# Altium PCB CHAHARDOLI-7 ADAD METAL.PcbDoc (part 4 of 10)
Units mm, origin at the board's own origin, x right, y up, seen from the top; angles counter-clockwise.
Board outline 151 x 86.38 mm, 2 copper layers (Top Layer, Bottom Layer); 1512 components, 81 nets, 3736 pads, 768 vias.
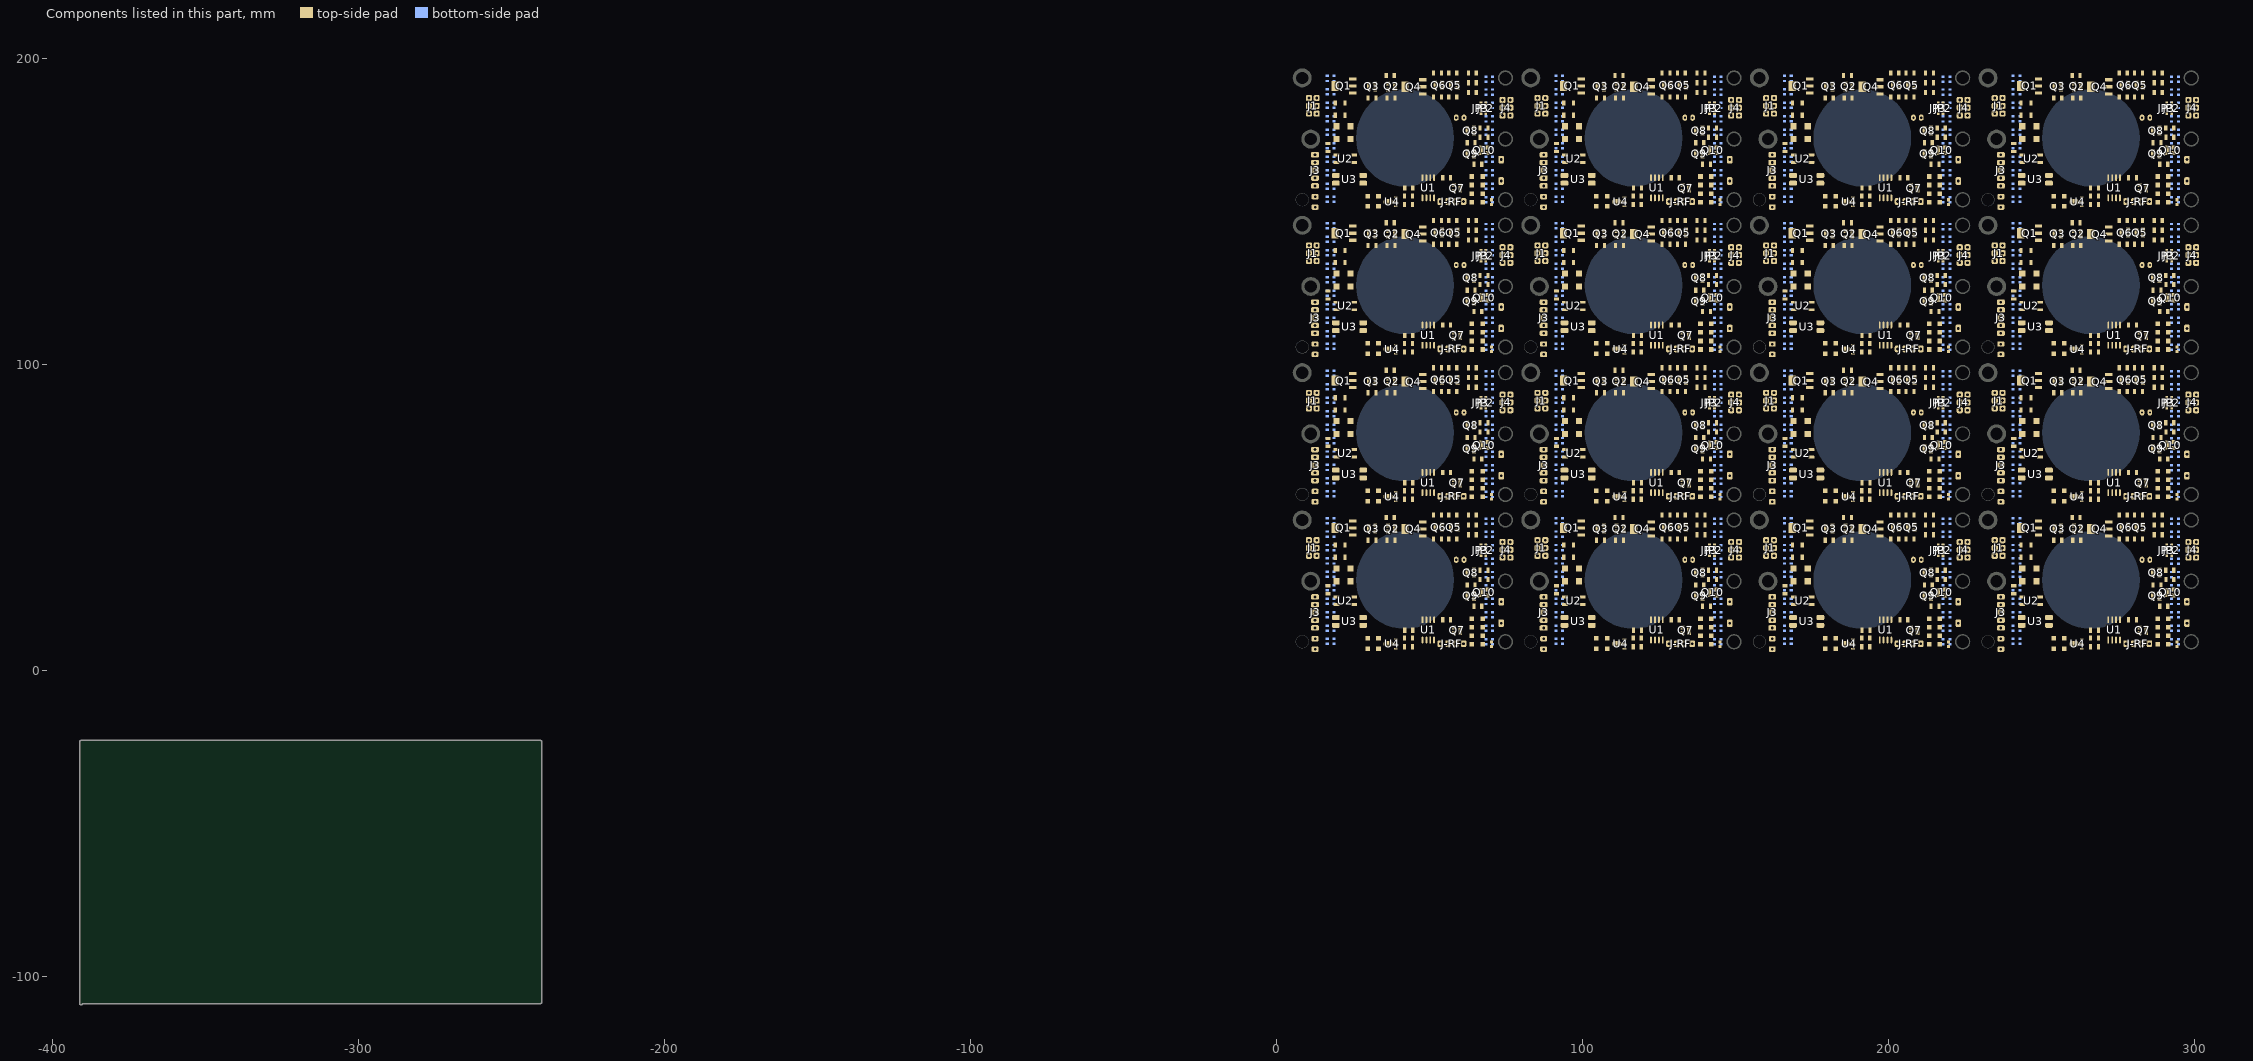
[diagram p4: the components of this part, seen from the top]

## Via types
v1: diameter 1.2, hole 0.6, Top Layer to Bottom Layer, 496 vias
v2: diameter 1, hole 0.6, Top Layer to Bottom Layer, 128 vias
v3: diameter 0.9, hole 0.6, Top Layer to Bottom Layer, 128 vias
v4: diameter 1.27, hole 0.6, Top Layer to Bottom Layer, 16 vias

## Nets (pads, with @x,y where several pads share a name; then routed paths per layer and width w, separated by ;. In a path a pad name is that pad's centre, name@x,y a point inside that pad or via, vN(x,y) a via of type N, cw(c..) or ccw(c..) an arc to the next point about the centre after c; other vN are vias at no path point) (continued)
copper on no net: (continued)
  Top Layer w0.5: 6.936,46.91 6.936,37.71 7.868,36.777 7.874,36.777 v1@8.231,36.42 ; 6.936,95.055 6.936,85.855 7.868,84.922 7.874,84.922 v1@8.231,84.565 ; 6.936,143.2 6.936,134 7.868,133.067 7.874,133.067 v1@8.231,132.71 ; 6.936,191.345 6.936,182.145 7.868,181.213 7.874,181.213 v1@8.231,180.855 ; 7.136,47.71 7.184,47.662 7.184,46.91 ; 7.136,95.855 7.184,95.807 7.184,95.055 ; 7.136,144 7.184,143.952 7.184,143.2 ; 7.136,192.145 7.184,192.097 7.184,191.345 ; 11.136,28.91 13.736,28.91 13.793,28.852 14.794,28.852 16.011,27.636 16.336,27.636 ; 11.136,77.055 13.736,77.055 13.793,76.997 14.794,76.997 16.011,75.781 16.336,75.781 ; 11.136,125.2 13.736,125.2 13.793,125.143 14.794,125.143 16.011,123.926 16.336,123.926 ; 11.136,173.345 13.736,173.345 13.793,173.288 14.794,173.288 16.011,172.071 16.336,172.071 ; 12.536,16.37 14.586,16.37 15.136,16.92 15.136,20.11 16.536,21.51 19.536,21.51 ; 12.536,21.45 12.964,21.878 14.504,21.878 16.284,23.658 16.284,24.988 16.336,25.04 ; 12.536,23.99 12.827,23.99 13.462,24.625 13.462,25.036 14.736,26.31 20.136,26.31 21.336,27.51 21.336,31.51 20.286,32.56 20.086,32.56 19.336,33.31 ; 12.536,64.515 14.586,64.515 15.136,65.065 15.136,68.255 16.536,69.655 19.536,69.655 ; 12.536,69.595 12.964,70.023 14.504,70.023 16.284,71.803 16.284,73.133 16.336,73.185 ; 12.536,72.135 12.827,72.135 13.462,72.77 13.462,73.181 14.736,74.455 20.136,74.455 21.336,75.655 21.336,79.655 20.286,80.705 20.086,80.705 19.336,81.455 ; 12.536,112.66 14.586,112.66 15.136,113.21 15.136,116.4 16.536,117.8 19.536,117.8 ; 12.536,117.74 12.964,118.169 14.504,118.169 16.284,119.948 16.284,121.278 16.336,121.33 ; 12.536,120.28 12.827,120.28 13.462,120.915 13.462,121.327 14.736,122.6 20.136,122.6 21.336,123.8 21.336,127.8 20.286,128.85 20.086,128.85 19.336,129.6 ; 12.536,160.805 14.586,160.805 15.136,161.355 15.136,164.545 16.536,165.945 19.536,165.945 ; 12.536,165.885 12.964,166.314 14.504,166.314 16.284,168.093 16.284,169.423 16.336,169.475 ; 12.536,168.425 12.827,168.425 13.462,169.06 13.462,169.472 14.736,170.745 20.136,170.745 21.336,171.945 21.336,175.945 20.286,176.995 20.086,176.995 19.336,177.745 ; 18.698,17.31 21.936,17.31 23.736,15.51 23.736,12.71 ; 18.698,65.455 21.936,65.455 23.736,63.655 23.736,60.855 ; 18.698,113.6 21.936,113.6 23.736,111.8 23.736,109 ; 18.698,161.745 21.936,161.745 23.736,159.945 23.736,157.145 ; 18.716,15.11 19.316,14.51 v1(21.936,14.51) ; 18.716,63.255 19.316,62.655 v1(21.936,62.655) ; 18.716,111.4 19.316,110.8 v1(21.936,110.8) ; 18.716,159.545 19.316,158.945 v1(21.936,158.945) ; 19.536,23.96 20.036,23.96 20.241,24.165 20.241,24.59 22.336,26.685 22.336,34.11 20.736,35.71 20.736,37.825 22.118,39.207 22.118,40.659 22.336,40.877 ; 19.536,72.105 20.036,72.105 20.241,72.31 20.241,72.735 22.336,74.83 22.336,82.255 20.736,83.855 20.736,85.97 22.118,87.352 22.118,88.804 22.336,89.022 ; 19.536,120.25 20.036,120.25 20.241,120.455 20.241,120.88 22.336,122.975 22.336,130.4 20.736,132 20.736,134.115 22.118,135.497 22.118,136.949 22.336,137.167 ; 19.536,168.395 20.036,168.395 20.241,168.6 20.241,169.025 22.336,171.12 22.336,178.545 20.736,180.145 20.736,182.26 22.118,183.642 22.118,185.094 22.336,185.312 ; 23.886,33.31 23.886,35.26 25.936,37.31 25.936,41.51 v1(26.936,42.51) ; 23.886,81.455 23.886,83.405 25.936,85.455 25.936,89.655 v1(26.936,90.655) ; 23.886,129.6 23.886,131.55 25.936,133.6 25.936,137.8 v1(26.936,138.8) ; 23.886,177.745 23.886,179.695 25.936,181.745 25.936,185.945 v1(26.936,186.945) ; 25.136,44.31 28.136,44.31 29.336,43.11 29.56,43.11 29.905,42.765 29.905,42.54 ; 25.136,92.455 28.136,92.455 29.336,91.255 29.56,91.255 29.905,90.91 29.905,90.685 ; 25.136,140.6 28.136,140.6 29.336,139.4 29.56,139.4 29.905,139.055 29.905,138.83 ; 25.136,188.745 28.136,188.745 29.336,187.545 29.56,187.545 29.905,187.2 29.905,186.976 ; v1(28.136,49.71) 29.736,49.71 31.936,47.51 31.961,47.51 32.061,47.41 32.061,47.385 32.311,47.135 32.311,46.96 ; v1(28.136,97.855) 29.736,97.855 31.936,95.655 31.961,95.655 32.061,95.555 32.061,95.53 32.311,95.28 32.311,95.105 ; v1(28.136,146) 29.736,146 31.936,143.8 31.961,143.8 32.061,143.7 32.061,143.675 32.311,143.425 32.311,143.25 ; v1(28.136,194.145) 29.736,194.145 31.936,191.945 31.961,191.945 32.061,191.845 32.061,191.82 32.311,191.57 32.311,191.395 ; 29.672,6.997 30.286,7.61 30.286,7.66 33.336,10.71 37.986,10.71 38.586,10.11 38.936,10.11 ; 29.672,55.142 30.286,55.755 30.286,55.805 33.336,58.855 37.986,58.855 38.586,58.255 38.936,58.255 ; 29.672,103.287 30.286,103.9 30.286,103.95 33.336,107 37.986,107 38.586,106.4 38.936,106.4 ; 29.672,151.432 30.286,152.045 30.286,152.095 33.336,155.145 37.986,155.145 38.586,154.545 38.936,154.545 ; 30.011,45.06 30.411,45.06 30.411,44.855 32.156,43.11 32.368,42.898 ; 30.011,93.205 30.411,93.205 30.411,93 32.156,91.255 32.368,91.043 ; 30.011,141.35 30.411,141.35 30.411,141.145 32.156,139.4 32.368,139.188 ; 30.011,189.495 30.411,189.495 30.411,189.291 32.156,187.545 32.368,187.333 ; 32.211,45.36 32.293,45.278 33.368,45.278 35.536,43.11 35.76,43.11 36.035,42.835 36.035,42.51 ; 32.211,93.505 32.293,93.423 33.368,93.423 35.536,91.255 35.76,91.255 36.035,90.98 36.035,90.655 ; 32.211,141.65 32.293,141.568 33.368,141.568 35.536,139.4 35.76,139.4 36.035,139.125 36.035,138.8 ; 32.211,189.795 32.293,189.713 33.368,189.713 35.536,187.545 35.76,187.545 36.035,187.27 36.035,186.945 ; 35.636,8.51 38.736,8.51 ; 35.636,56.655 38.736,56.655 ; 35.636,104.8 38.736,104.8 ; 35.636,152.945 38.736,152.945 ; 35.835,49.91 35.835,49.585 36.136,49.284 36.136,47.535 36.161,47.51 ; 35.835,98.055 35.835,97.73 36.136,97.429 36.136,95.68 36.161,95.655 ; 35.835,146.2 35.835,145.875 36.136,145.574 36.136,143.825 36.161,143.8 ; 35.835,194.345 35.835,194.02 36.136,193.72 36.136,191.97 36.161,191.945 ; 38.631,47.379 38.631,43.035 38.906,43.31 45.136,43.31 46.336,42.11 48.936,42.11 49.936,41.11 55.736,41.11 56.136,41.51 56.136,42.927 ; 38.631,95.524 38.631,91.18 38.906,91.455 45.136,91.455 46.336,90.255 48.936,90.255 49.936,89.255 55.736,89.255 56.136,89.655 56.136,91.072 ; 38.631,143.669 38.631,139.325 38.906,139.6 45.136,139.6 46.336,138.4 48.936,138.4 49.936,137.4 55.736,137.4 56.136,137.8 56.136,139.217 ; 38.631,191.814 38.631,187.47 38.906,187.745 45.136,187.745 46.336,186.545 48.936,186.545 49.936,185.545 55.736,185.545 56.136,185.945 56.136,187.362 ; 38.736,8.61 39.636,8.61 40.186,9.16 40.186,12.617 40.479,12.91 41.591,12.91 ; 38.736,56.755 39.636,56.755 40.186,57.305 40.186,60.762 40.479,61.055 41.591,61.055 ; 38.736,104.9 39.636,104.9 40.186,105.45 40.186,108.907 40.479,109.2 41.591,109.2 ; 38.736,153.045 39.636,153.045 40.186,153.595 40.186,157.052 40.479,157.345 41.591,157.345 ; 41.866,13.185 41.866,13.435 ; 41.866,61.33 41.866,61.58 ; 41.866,109.475 41.866,109.725 ; 41.866,157.62 41.866,157.87 ; 41.936,13.435 41.936,14.817 42.229,15.11 46.136,15.11 47.336,13.91 55.336,13.91 56.98,12.265 57.686,12.265 58.036,11.915 58.036,11.003 58.329,10.71 60.544,10.71 60.837,10.417 60.837,9.208 61.336,8.71 ; 41.936,61.58 41.936,62.962 42.229,63.255 46.136,63.255 47.336,62.055 55.336,62.055 56.98,60.41 57.686,60.41 58.036,60.06 58.036,59.148 58.329,58.855 60.544,58.855 60.837,58.562 60.837,57.353 61.336,56.855 ; 41.936,109.725 41.936,111.107 42.229,111.4 46.136,111.4 47.336,110.2 55.336,110.2 56.98,108.555 57.686,108.555 58.036,108.205 58.036,107.293 58.329,107 60.544,107 60.837,106.707 60.837,105.499 61.336,105 ; 41.936,157.87 41.936,159.252 42.229,159.545 46.136,159.545 47.336,158.345 55.336,158.345 56.98,156.7 57.686,156.7 58.036,156.35 58.036,155.438 58.329,155.145 60.544,155.145 60.837,154.852 60.837,153.644 61.336,153.145 ; 42.141,12.71 42.141,12.51 42.341,12.51 43.941,10.91 44.131,10.91 44.406,10.635 44.406,10.31 ; 42.141,60.855 42.141,60.655 42.341,60.655 43.941,59.055 44.131,59.055 44.406,58.78 44.406,58.455 ; 42.141,109 42.141,108.8 42.341,108.8 43.941,107.2 44.131,107.2 44.406,106.925 44.406,106.6 ; 42.141,157.145 42.141,156.945 42.341,156.945 43.941,155.345 44.131,155.345 44.406,155.07 44.406,154.745 ; 44.573,10.31 44.573,7.11 49.548,7.11 50.152,7.714 50.152,9.2 ; 44.573,58.455 44.573,55.255 49.548,55.255 50.152,55.859 50.152,57.345 ; 44.573,106.6 44.573,103.4 49.548,103.4 50.152,104.004 50.152,105.49 ; 44.573,154.745 44.573,151.545 49.548,151.545 50.152,152.149 50.152,153.635 ; 44.736,13.31 46.336,11.71 46.336,8.71 46.936,8.11 48.589,8.11 48.882,8.403 48.882,10.552 ; 44.736,61.455 46.336,59.855 46.336,56.855 46.936,56.255 48.589,56.255 48.882,56.548 48.882,58.697 ; 44.736,109.6 46.336,108 46.336,105 46.936,104.4 48.589,104.4 48.882,104.693 48.882,106.842 ; 44.736,157.745 46.336,156.145 46.336,153.145 46.936,152.545 48.589,152.545 48.882,152.838 48.882,154.987 ; 47.631,9.71 47.631,12.217 47.924,12.51 53.736,12.51 56.056,10.19 56.056,8.91 ; 47.631,57.855 47.631,60.362 47.924,60.655 53.736,60.655 56.056,58.335 56.056,57.055 ; 47.631,106 47.631,108.507 47.924,108.8 53.736,108.8 56.056,106.48 56.056,105.2 ; 47.631,154.145 47.631,156.652 47.924,156.945 53.736,156.945 56.056,154.625 56.056,153.345 ; 47.736,48.51 47.793,48.453 49.393,48.453 v1(49.936,47.91) ; 47.736,96.655 47.793,96.598 49.393,96.598 v1(49.936,96.055) ; 47.736,144.8 47.793,144.743 49.393,144.743 v1(49.936,144.2) ; 47.736,192.945 47.793,192.888 49.393,192.888 v1(49.936,192.345) ; 48.165,44.11 48.215,44.16 49.225,44.16 50.804,45.738 51.511,45.738 52.118,46.345 52.118,48.728 51.31,49.535 51.31,50.235 51.035,50.51 ; 48.165,92.255 48.215,92.305 49.225,92.305 50.804,93.883 51.511,93.883 52.118,94.491 52.118,96.873 51.31,97.68 51.31,98.38 51.035,98.655 ; 48.165,140.4 48.215,140.45 49.225,140.45 50.804,142.029 51.511,142.029 52.118,142.636 52.118,145.018 51.31,145.826 51.31,146.525 51.035,146.8 ; 48.165,188.545 48.215,188.595 49.225,188.595 50.804,190.174 51.511,190.174 52.118,190.781 52.118,193.163 51.31,193.971 51.31,194.67 51.035,194.945 ; 50.171,16.545 50.19,16.564 50.19,18.164 50.936,18.91 57.136,18.91 57.936,19.71 57.936,31.998 55.736,34.198 55.736,38.035 v1(58.336,40.635) ; 50.171,64.69 50.19,64.709 50.19,66.309 50.936,67.055 57.136,67.055 57.936,67.855 57.936,80.143 55.736,82.343 55.736,86.18 v1(58.336,88.78) ; 50.171,112.835 50.19,112.854 50.19,114.454 50.936,115.2 57.136,115.2 57.936,116 57.936,128.288 55.736,130.488 55.736,134.325 v1(58.336,136.925) ; 50.171,160.98 50.19,160.999 50.19,162.599 50.936,163.345 57.136,163.345 57.936,164.145 57.936,176.433 55.736,178.633 55.736,182.47 v1(58.336,185.07) ; 51.336,42.71 51.336,43.335 51.51,43.51 51.761,43.51 53.761,45.51 54.011,45.76 ; 51.336,90.855 51.336,91.48 51.51,91.655 51.761,91.655 53.761,93.655 54.011,93.905 ; 51.336,139 51.336,139.626 51.51,139.8 51.761,139.8 53.761,141.8 54.011,142.05 ; 51.336,187.145 51.336,187.771 51.51,187.945 51.761,187.945 53.761,189.945 54.011,190.195 ; 51.441,16.51 53.965,16.51 54.24,16.235 54.24,16.11 ; 51.441,64.655 53.965,64.655 54.24,64.38 54.24,64.255 ; 51.441,112.8 53.965,112.8 54.24,112.525 54.24,112.4 ; 51.441,160.945 53.965,160.945 54.24,160.67 54.24,160.545 ; 53.831,50.71 55.934,50.71 56.181,50.66 56.197,50.51 56.235,50.472 56.235,50.71 ; 53.831,98.855 55.934,98.855 56.181,98.805 56.197,98.655 56.235,98.617 56.235,98.855 ; 53.831,147 55.934,147 56.181,146.95 56.197,146.8 56.235,146.762 56.235,147 ; 53.831,195.145 55.934,195.145 56.181,195.095 56.197,194.945 56.235,194.907 56.235,195.145 ; 53.936,43.339 54.106,43.51 56.056,45.46 56.911,45.46 57.179,45.728 57.179,48.553 58.556,49.93 58.556,50.435 58.831,50.71 ; 53.936,47.71 54.136,47.91 54.293,47.91 54.893,48.51 v1(54.936,48.51) ; 53.936,91.484 54.106,91.655 56.056,93.605 56.911,93.605 57.179,93.873 57.179,96.698 58.556,98.075 58.556,98.58 58.831,98.855 ; 53.936,95.855 54.136,96.055 54.293,96.055 54.893,96.655 v1(54.936,96.655) ; 53.936,139.63 54.106,139.8 56.056,141.75 56.911,141.75 57.179,142.018 57.179,144.843 58.556,146.22 58.556,146.725 58.831,147 ; 53.936,144 54.136,144.2 54.293,144.2 54.893,144.8 v1(54.936,144.8) ; 53.936,187.775 54.106,187.945 56.056,189.895 56.911,189.895 57.179,190.163 57.179,192.988 58.556,194.365 58.556,194.87 58.831,195.145 ; 53.936,192.145 54.136,192.345 54.293,192.345 54.893,192.945 v1(54.936,192.945) ; 56.11,51.31 56.336,51.31 57.336,52.31 77.584,52.31 77.986,51.908 77.986,17.36 v1(77.536,16.91) ; 56.11,99.455 56.336,99.455 57.336,100.455 77.584,100.455 77.986,100.053 77.986,65.505 v1(77.536,65.055) ; 56.11,147.6 56.336,147.6 57.336,148.6 77.584,148.6 77.986,148.199 77.986,113.65 v1(77.536,113.2) ; 56.11,195.745 56.336,195.745 57.336,196.745 77.584,196.745 77.986,196.344 77.986,161.795 v1(77.536,161.345) ; 56.836,16.51 56.936,16.41 56.936,14.985 57.861,14.06 ; 56.836,64.655 56.936,64.555 56.936,63.13 57.861,62.205 ; 56.836,112.8 56.936,112.701 56.936,111.275 57.861,110.35 ; 56.836,160.945 56.936,160.846 56.936,159.42 57.861,158.495 ; 58.666,36.11 58.666,35.58 59.936,34.31 67.756,34.31 68.756,33.31 69.056,33.01 69.056,32.41 68.756,32.11 68.536,32.11 67.736,31.31 67.736,27.91 68.761,26.885 68.761,26.71 69.011,26.46 ; 58.666,84.255 58.666,83.725 59.936,82.455 67.756,82.455 68.756,81.455 69.056,81.155 69.056,80.555 68.756,80.255 68.536,80.255 67.736,79.455 67.736,76.055 68.761,75.03 68.761,74.855 69.011,74.605 ; 58.666,132.4 58.666,131.87 59.936,130.6 67.756,130.6 68.756,129.6 69.056,129.3 69.056,128.7 68.756,128.4 68.536,128.4 67.736,127.6 67.736,124.2 68.761,123.175 68.761,123 69.011,122.75 ; 58.666,180.545 58.666,180.015 59.936,178.745 67.756,178.745 68.756,177.745 69.056,177.445 69.056,176.845 68.756,176.545 68.536,176.545 67.736,175.745 67.736,172.345 68.761,171.32 68.761,171.145 69.011,170.895 ; 58.936,42.465 58.936,45.285 59.011,45.36 59.011,45.76 ; 58.936,90.61 58.936,93.43 59.011,93.505 59.011,93.905 ; 58.936,138.755 58.936,141.575 59.011,141.65 59.011,142.05 ; 58.936,186.9 58.936,189.72 59.011,189.795 59.011,190.195 ; 59.011,47.66 59.179,47.828 59.179,48.553 60.525,49.899 60.525,50.499 v1(60.736,50.71) ; 59.011,95.805 59.179,95.973 59.179,96.698 60.525,98.044 60.525,98.644 v1(60.736,98.855) ; 59.011,143.95 59.179,144.118 59.179,144.843 60.525,146.19 60.525,146.789 v1(60.736,147) ; 59.011,192.095 59.179,192.263 59.179,192.988 60.525,194.335 60.525,194.934 v1(60.736,195.145) ; v1(59.336,15.51) 59.336,15.212 59.661,14.887 59.661,12.819 59.936,12.544 ; v1(59.336,63.655) 59.336,63.357 59.661,63.032 59.661,60.964 59.936,60.689 ; v1(59.336,111.8) 59.336,111.502 59.661,111.177 59.661,109.109 59.936,108.834 ; v1(59.336,159.945) 59.336,159.647 59.661,159.322 59.661,157.254 59.936,156.979 ; v1(60.736,24.11) 62.061,24.11 62.261,24.31 ; v1(60.736,27.11) 60.936,27.31 62.126,27.31 62.231,27.415 ; v1(60.736,45.51) 60.736,48.11 62.669,50.043 ; v1(60.736,72.255) 62.061,72.255 62.261,72.455 ; v1(60.736,75.255) 60.936,75.455 62.126,75.455 62.231,75.56 ; v1(60.736,93.655) 60.736,96.255 62.669,98.188 ; v1(60.736,120.4) 62.061,120.4 62.261,120.6 ; v1(60.736,123.4) 60.936,123.6 62.126,123.6 62.231,123.705 ; v1(60.736,141.8) 60.736,144.4 62.669,146.333 ; v1(60.736,168.545) 62.061,168.545 62.261,168.745 ; v1(60.736,171.545) 60.936,171.745 62.126,171.745 62.231,171.85 ; v1(60.736,189.945) 60.736,192.545 62.669,194.479 ; 61.393,8.768 61.626,8.535 61.626,7.203 61.919,6.91 66.536,6.91 66.936,7.31 66.936,8.56 67.386,9.01 68.643,9.01 68.936,9.303 68.936,13.417 68.643,13.71 67.286,13.71 ; 61.393,56.913 61.626,56.681 61.626,55.348 61.919,55.055 66.536,55.055 66.936,55.455 66.936,56.705 67.386,57.155 68.643,57.155 68.936,57.448 68.936,61.562 68.643,61.855 67.286,61.855 ; 61.393,105.058 61.626,104.826 61.626,103.493 61.919,103.2 66.536,103.2 66.936,103.6 66.936,104.85 67.386,105.3 68.643,105.3 68.936,105.593 68.936,109.707 68.643,110 67.286,110 ; 61.393,153.203 61.626,152.971 61.626,151.638 61.919,151.345 66.536,151.345 66.936,151.745 66.936,152.995 67.386,153.445 68.643,153.445 68.936,153.738 68.936,157.852 68.643,158.145 67.286,158.145 ; v1(61.536,38.71) 61.732,38.514 62.532,38.514 63.336,37.71 68.431,37.71 ; v1(61.536,86.855) 61.732,86.659 62.532,86.659 63.336,85.855 68.431,85.855 ; v1(61.536,135) 61.732,134.804 62.532,134.804 63.336,134 68.431,134 ; v1(61.536,183.145) 61.732,182.949 62.532,182.949 63.336,182.145 68.431,182.145 ; v1(62.084,19.232) 62.312,19.232 62.633,18.91 70.136,18.91 72.936,21.71 72.936,21.81 ; v1(62.084,67.377) 62.312,67.377 62.633,67.055 70.136,67.055 72.936,69.855 72.936,69.955 ; v1(62.084,115.522) 62.312,115.522 62.633,115.2 70.136,115.2 72.936,118 72.936,118.1 ; v1(62.084,163.667) 62.312,163.667 62.633,163.345 70.136,163.345 72.936,166.145 72.936,166.245 ; 62.336,31.71 62.004,32.042 59.804,32.042 56.936,34.91 56.936,36.96 62.335,42.36 64.886,42.36 66.086,41.16 66.686,41.16 66.736,41.11 67.936,41.11 ; 62.336,79.855 62.004,80.187 59.804,80.187 56.936,83.055 56.936,85.105 62.335,90.505 64.886,90.505 66.086,89.305 66.686,89.305 66.736,89.255 67.936,89.255 ; 62.336,128 62.004,128.332 59.804,128.332 56.936,131.2 56.936,133.25 62.335,138.65 64.886,138.65 66.086,137.45 66.686,137.45 66.736,137.4 67.936,137.4 ; 62.336,176.145 62.004,176.477 59.804,176.477 56.936,179.345 56.936,181.396 62.335,186.795 64.886,186.795 66.086,185.595 66.686,185.595 66.736,185.545 67.936,185.545 ; 62.64,43.91 62.906,44.175 62.906,45.08 63.636,45.81 67.636,45.81 68.136,45.31 68.136,43.51 69.936,41.71 69.936,40.11 72.622,37.424 73.202,37.424 73.796,36.83 ; 62.64,92.055 62.906,92.32 62.906,93.225 63.636,93.955 67.636,93.955 68.136,93.455 68.136,91.655 69.936,89.855 69.936,88.255 72.622,85.569 73.202,85.569 73.796,84.975 ; 62.64,140.2 62.906,140.466 62.906,141.37 63.636,142.1 67.636,142.1 68.136,141.6 68.136,139.8 69.936,138 69.936,136.4 72.622,133.714 73.202,133.714 73.796,133.12 ; 62.64,188.345 62.906,188.611 62.906,189.515 63.636,190.245 67.636,190.245 68.136,189.745 68.136,187.945 69.936,186.145 69.936,184.545 72.622,181.859 73.202,181.859 73.796,181.265 ; 62.736,47.381 62.736,47.93 62.915,48.11 62.936,48.11 63.936,49.11 67.936,49.11 69.136,47.91 69.136,44.03 71.536,41.63 71.536,40.71 72.452,39.794 73.372,39.794 73.796,39.37 ; 62.736,95.526 62.736,96.075 62.915,96.255 62.936,96.255 63.936,97.255 67.936,97.255 69.136,96.055 69.136,92.175 71.536,89.775 71.536,88.855 72.452,87.939 73.372,87.939 73.796,87.515 ; 62.736,143.671 62.736,144.22 62.915,144.4 62.936,144.4 63.936,145.4 67.936,145.4 69.136,144.2 69.136,140.32 71.536,137.92 71.536,137 72.452,136.084 73.372,136.084 73.796,135.66 ; 62.736,191.816 62.736,192.366 62.915,192.545 62.936,192.545 63.936,193.545 67.936,193.545 69.136,192.345 69.136,188.465 71.536,186.065 71.536,185.145 72.452,184.229 73.372,184.229 73.796,183.805 ; 63.386,11.71 63.286,11.81 62.886,11.81 61.936,12.76 61.936,15.11 58.936,18.11 58.936,29.417 59.229,29.71 64.336,29.71 ; 63.386,59.855 63.286,59.955 62.886,59.955 61.936,60.905 61.936,63.255 58.936,66.255 58.936,77.562 59.229,77.855 64.336,77.855 ; 63.386,108 63.286,108.1 62.886,108.1 61.936,109.05 61.936,111.4 58.936,114.4 58.936,125.707 59.229,126 64.336,126 ; 63.386,156.145 63.286,156.245 62.886,156.245 61.936,157.195 61.936,159.545 58.936,162.545 58.936,173.852 59.229,174.145 64.336,174.145 ; v1(63.536,40.91) 63.536,40.71 64.736,39.51 66.536,39.51 66.636,39.41 66.736,39.41 ; v1(63.536,89.055) 63.536,88.855 64.736,87.655 66.536,87.655 66.636,87.555 66.736,87.555 ; v1(63.536,137.2) 63.536,137 64.736,135.8 66.536,135.8 66.636,135.7 66.736,135.7 ; v1(63.536,185.345) 63.536,185.145 64.736,183.945 66.536,183.945 66.636,183.845 66.736,183.845 ; 63.591,13.965 64.236,14.61 64.436,14.61 66.236,16.41 66.786,16.41 66.886,16.51 66.886,16.91 ; 63.591,62.11 64.236,62.755 64.436,62.755 66.236,64.555 66.786,64.555 66.886,64.655 66.886,65.055 ; 63.591,110.255 64.236,110.9 64.436,110.9 66.236,112.7 66.786,112.7 66.886,112.8 66.886,113.2 ; 63.591,158.4 64.236,159.045 64.436,159.045 66.236,160.845 66.786,160.845 66.886,160.945 66.886,161.345 ; 63.7,16.91 61.736,16.91 60.336,18.31 60.336,20.699 60.757,21.12 v1(60.757,21.31) 64.165,21.31 64.44,21.035 64.44,20.91 ; 63.7,65.055 61.736,65.055 60.336,66.455 60.336,68.844 60.757,69.265 v1(60.757,69.455) 64.165,69.455 64.44,69.18 64.44,69.055 ; 63.7,113.2 61.736,113.2 60.336,114.6 60.336,116.989 60.757,117.411 v1(60.757,117.6) 64.165,117.6 64.44,117.325 64.44,117.2 ; 63.7,161.345 61.736,161.345 60.336,162.745 60.336,165.134 60.757,165.556 v1(60.757,165.745) 64.165,165.745 64.44,165.47 64.44,165.345 ; 63.786,8.51 64.286,9.01 64.386,9.01 66.205,10.829 66.786,10.829 66.886,10.929 66.886,11.51 ; 63.786,56.655 64.286,57.155 64.386,57.155 66.205,58.975 66.786,58.975 66.886,59.075 66.886,59.655 ; 63.786,104.8 64.286,105.3 64.386,105.3 66.205,107.12 66.786,107.12 66.886,107.22 66.886,107.8 ; 63.786,152.945 64.286,153.445 64.386,153.445 66.205,155.265 66.786,155.265 66.886,155.365 66.886,155.945 ; 64.223,32.71 66.435,32.71 ; 64.223,80.855 66.435,80.855 ; 64.223,129 66.435,129 ; 64.223,177.145 66.435,177.145 ; 64.336,20.971 64.336,23.492 ; 64.336,69.116 64.336,71.637 ; 64.336,117.261 64.336,119.782 ; 64.336,165.406 64.336,167.928 ; 64.411,30.96 64.336,30.885 64.336,29.71 ; 64.411,79.105 64.336,79.03 64.336,77.855 ; 64.411,127.25 64.336,127.175 64.336,126 ; 64.411,175.395 64.336,175.32 64.336,174.145 ; 64.536,25.51 64.536,28.248 ; 64.536,73.655 64.536,76.393 ; 64.536,121.8 64.536,124.538 ; 64.536,169.945 64.536,172.684 ; 65.231,50.71 65.431,50.51 68.536,50.51 70.136,48.91 70.136,44.51 72.382,42.264 73.442,42.264 73.796,41.91 ; 65.231,98.855 65.431,98.655 68.536,98.655 70.136,97.055 70.136,92.655 72.382,90.409 73.442,90.409 73.796,90.055 ; 65.231,147 65.431,146.8 68.536,146.8 70.136,145.2 70.136,140.8 72.382,138.554 73.442,138.554 73.796,138.2 ; 65.231,195.145 65.431,194.945 68.536,194.945 70.136,193.345 70.136,188.945 72.382,186.699 73.442,186.699 73.796,186.345 ; 65.236,44.31 v1(66.536,44.31) ; 65.236,92.455 v1(66.536,92.455) ; 65.236,140.6 v1(66.536,140.6) ; 65.236,188.745 v1(66.536,188.745) ; 65.37,47.244 65.436,47.31 v1(66.536,47.31) ; 65.37,95.389 65.436,95.455 v1(66.536,95.455) ; 65.37,143.534 65.436,143.6 v1(66.536,143.6) ; 65.37,191.679 65.436,191.745 v1(66.536,191.745) ; 66.136,29.71 64.336,29.71 ; 66.136,77.855 64.336,77.855 ; 66.136,126 64.336,126 ; 66.136,174.145 64.336,174.145 ; 66.44,29.71 66.44,26.653 66.511,26.582 66.511,24.885 66.536,24.86 ; 66.44,77.855 66.44,74.798 66.511,74.727 66.511,73.03 66.536,73.005 ; 66.44,126 66.44,122.943 66.511,122.872 66.511,121.175 66.536,121.15 ; 66.44,174.145 66.44,171.088 66.511,171.018 66.511,169.32 66.536,169.295 ; 66.736,20.31 66.736,21.11 68.829,23.203 68.829,24.403 68.936,24.51 ; 66.736,68.455 66.736,69.255 68.829,71.348 68.829,72.548 68.936,72.655 ; 66.736,116.6 66.736,117.4 68.829,119.493 68.829,120.693 68.936,120.8 ; 66.736,164.745 66.736,165.545 68.829,167.638 68.829,168.838 68.936,168.945 ; 68.336,39.41 68.336,39.129 68.536,38.929 69.116,38.929 71.336,36.71 71.336,35.71 72.136,34.91 76.043,34.91 76.336,35.203 76.336,36.83 76.336,39.37 76.336,41.91 ; 68.336,87.555 68.336,87.275 68.536,87.075 69.116,87.075 71.336,84.855 71.336,83.855 72.136,83.055 76.043,83.055 76.336,83.348 76.336,84.975 76.336,87.515 76.336,90.055 ; 68.336,135.7 68.336,135.42 68.536,135.22 69.116,135.22 71.336,133 71.336,132 72.136,131.2 76.043,131.2 76.336,131.493 76.336,133.12 76.336,135.66 76.336,138.2 ; 68.336,183.845 68.336,183.565 68.536,183.365 69.116,183.365 71.336,181.145 71.336,180.145 72.136,179.345 76.043,179.345 76.336,179.638 76.336,181.265 76.336,183.805 76.336,186.345 ; 69.036,29.71 69.204,29.542 69.204,28.442 73.086,24.56 74.686,24.56 75.536,23.71 75.536,21.41 73.482,19.356 73.482,18.456 v1(73.336,18.31) ; 69.036,77.855 69.204,77.687 69.204,76.587 73.086,72.705 74.686,72.705 75.536,71.855 75.536,69.555 73.482,67.501 73.482,66.601 v1(73.336,66.455) ; 69.036,126 69.204,125.832 69.204,124.732 73.086,120.85 74.686,120.85 75.536,120 75.536,117.7 73.482,115.646 73.482,114.746 v1(73.336,114.6) ; 69.036,174.145 69.204,173.978 69.204,172.877 73.086,168.995 74.686,168.995 75.536,168.145 75.536,165.845 73.482,163.791 73.482,162.891 v1(73.336,162.745) ; 70.136,9.31 70.136,14.11 71.436,15.41 73.336,15.41 ; 70.136,57.455 70.136,62.255 71.436,63.555 73.336,63.555 ; 70.136,105.6 70.136,110.4 71.436,111.7 73.336,111.7 ; 70.136,153.745 70.136,158.545 71.436,159.845 73.336,159.845 ; 81.624,46.91 81.624,37.71 82.556,36.777 82.562,36.777 v1@82.92,36.42 ; 81.624,95.055 81.624,85.855 82.556,84.922 82.562,84.922 v1@82.92,84.565 ; 81.624,143.2 81.624,134 82.556,133.067 82.562,133.067 v1@82.92,132.71 ; 81.624,191.345 81.624,182.145 82.556,181.213 82.562,181.213 v1@82.92,180.855 ; 81.824,47.71 81.872,47.662 81.872,46.91 ; 81.824,95.855 81.872,95.807 81.872,95.055 ; 81.824,144 81.872,143.952 81.872,143.2 ; 81.824,192.145 81.872,192.097 81.872,191.345 ; 85.824,28.91 88.424,28.91 88.481,28.852 89.482,28.852 90.699,27.636 91.024,27.636 ; 85.824,77.055 88.424,77.055 88.481,76.997 89.482,76.997 90.699,75.781 91.024,75.781 ; 85.824,125.2 88.424,125.2 88.481,125.143 89.482,125.143 90.699,123.926 91.024,123.926 ; 85.824,173.345 88.424,173.345 88.481,173.288 89.482,173.288 90.699,172.071 91.024,172.071 ; 87.224,16.37 89.274,16.37 89.824,16.92 89.824,20.11 91.224,21.51 94.224,21.51 ; 87.224,21.45 87.652,21.878 89.192,21.878 90.972,23.658 90.972,24.988 91.024,25.04 ; 87.224,23.99 87.516,23.99 88.15,24.625 88.15,25.036 89.424,26.31 94.824,26.31 96.024,27.51 96.024,31.51 94.974,32.56 94.774,32.56 94.024,33.31 ; 87.224,64.515 89.274,64.515 89.824,65.065 89.824,68.255 91.224,69.655 94.224,69.655 ; 87.224,69.595 87.652,70.023 89.192,70.023 90.972,71.803 90.972,73.133 91.024,73.185 ; 87.224,72.135 87.516,72.135 88.15,72.77 88.15,73.181 89.424,74.455 94.824,74.455 96.024,75.655 96.024,79.655 94.974,80.705 94.774,80.705 94.024,81.455 ; 87.224,112.66 89.274,112.66 89.824,113.21 89.824,116.4 91.224,117.8 94.224,117.8 ; 87.224,117.74 87.652,118.169 89.192,118.169 90.972,119.948 90.972,121.278 91.024,121.33 ; 87.224,120.28 87.516,120.28 88.15,120.915 88.15,121.327 89.424,122.6 94.824,122.6 96.024,123.8 96.024,127.8 94.974,128.85 94.774,128.85 94.024,129.6 ; 87.224,160.805 89.274,160.805 89.824,161.355 89.824,164.545 91.224,165.945 94.224,165.945 ; 87.224,165.885 87.652,166.314 89.192,166.314 90.972,168.093 90.972,169.423 91.024,169.475 ; 87.224,168.425 87.516,168.425 88.15,169.06 88.15,169.472 89.424,170.745 94.824,170.745 96.024,171.945 96.024,175.945 94.974,176.995 94.774,176.995 94.024,177.745 ; 93.386,17.31 96.624,17.31 98.424,15.51 98.424,12.71 ; 93.386,65.455 96.624,65.455 98.424,63.655 98.424,60.855 ; 93.386,113.6 96.624,113.6 98.424,111.8 98.424,109 ; 93.386,161.745 96.624,161.745 98.424,159.945 98.424,157.145 ; 93.404,15.11 94.004,14.51 v1(96.624,14.51) ; 93.404,63.255 94.004,62.655 v1(96.624,62.655) ; 93.404,111.4 94.004,110.8 v1(96.624,110.8) ; 93.404,159.545 94.004,158.945 v1(96.624,158.945) ; 94.224,23.96 94.724,23.96 94.929,24.165 94.929,24.59 97.024,26.685 97.024,34.11 95.424,35.71 95.424,37.825 96.806,39.207 96.806,40.659 97.024,40.877 ; 94.224,72.105 94.724,72.105 94.929,72.31 94.929,72.735 97.024,74.83 97.024,82.255 95.424,83.855 95.424,85.97 96.806,87.352 96.806,88.804 97.024,89.022 ; 94.224,120.25 94.724,120.25 94.929,120.455 94.929,120.88 97.024,122.975 97.024,130.4 95.424,132 95.424,134.115 96.806,135.497 96.806,136.949 97.024,137.167 ; 94.224,168.395 94.724,168.395 94.929,168.6 94.929,169.025 97.024,171.12 97.024,178.545 95.424,180.145 95.424,182.26 96.806,183.642 96.806,185.094 97.024,185.312 ; 98.574,33.31 98.574,35.26 100.624,37.31 100.624,41.51 v1(101.624,42.51) ; 98.574,81.455 98.574,83.405 100.624,85.455 100.624,89.655 v1(101.624,90.655) ; 98.574,129.6 98.574,131.55 100.624,133.6 100.624,137.8 v1(101.624,138.8) ; 98.574,177.745 98.574,179.695 100.624,181.745 100.624,185.945 v1(101.624,186.945) ; 99.824,44.31 102.824,44.31 104.024,43.11 104.248,43.11 104.593,42.765 104.593,42.54 ; 99.824,92.455 102.824,92.455 104.024,91.255 104.248,91.255 104.593,90.91 104.593,90.685 ; 99.824,140.6 102.824,140.6 104.024,139.4 104.248,139.4 104.593,139.055 104.593,138.83 ; 99.824,188.745 102.824,188.745 104.024,187.545 104.248,187.545 104.593,187.2 104.593,186.976 ; v1(102.824,49.71) 104.424,49.71 106.624,47.51 106.649,47.51 106.749,47.41 106.749,47.385 106.999,47.135 106.999,46.96 ; v1(102.824,97.855) 104.424,97.855 106.624,95.655 106.649,95.655 106.749,95.555 106.749,95.53 106.999,95.28 106.999,95.105 ; v1(102.824,146) 104.424,146 106.624,143.8 106.649,143.8 106.749,143.7 106.749,143.675 106.999,143.425 106.999,143.25 ; v1(102.824,194.145) 104.424,194.145 106.624,191.945 106.649,191.945 106.749,191.845 106.749,191.82 106.999,191.57 106.999,191.395 ; 104.361,6.997 104.974,7.61 104.974,7.66 108.024,10.71 112.674,10.71 113.274,10.11 113.624,10.11 ; 104.361,55.142 104.974,55.755 104.974,55.805 108.024,58.855 112.674,58.855 113.274,58.255 113.624,58.255 ; 104.361,103.287 104.974,103.9 104.974,103.95 108.024,107 112.674,107 113.274,106.4 113.624,106.4 ; 104.361,151.432 104.974,152.045 104.974,152.095 108.024,155.145 112.674,155.145 113.274,154.545 113.624,154.545 ; 104.699,45.06 105.099,45.06 105.099,44.855 106.844,43.11 107.056,42.898 ; 104.699,93.205 105.099,93.205 105.099,93 106.844,91.255 107.056,91.043 ; 104.699,141.35 105.099,141.35 105.099,141.145 106.844,139.4 107.056,139.188 ; 104.699,189.495 105.099,189.495 105.099,189.291 106.844,187.545 107.056,187.333 ; 106.899,45.36 106.981,45.278 108.056,45.278 110.224,43.11 110.448,43.11 110.723,42.835 110.723,42.51 ; 106.899,93.505 106.981,93.423 108.056,93.423 110.224,91.255 110.448,91.255 110.723,90.98 110.723,90.655 ; 106.899,141.65 106.981,141.568 108.056,141.568 110.224,139.4 110.448,139.4 110.723,139.125 110.723,138.8 ; 106.899,189.795 106.981,189.713 108.056,189.713 110.224,187.545 110.448,187.545 110.723,187.27 110.723,186.945 ; 110.324,8.51 113.424,8.51 ; 110.324,56.655 113.424,56.655 ; 110.324,104.8 113.424,104.8 ; 110.324,152.945 113.424,152.945 ; 110.523,49.91 110.523,49.585 110.824,49.284 110.824,47.535 110.849,47.51 ; 110.523,98.055 110.523,97.73 110.824,97.429 110.824,95.68 110.849,95.655 ; 110.523,146.2 110.523,145.875 110.824,145.574 110.824,143.825 110.849,143.8 ; 110.523,194.345 110.523,194.02 110.824,193.72 110.824,191.97 110.849,191.945 ; 113.319,47.379 113.319,43.035 113.594,43.31 119.824,43.31 121.024,42.11 123.624,42.11 124.624,41.11 130.424,41.11 130.824,41.51 130.824,42.927 ; 113.319,95.524 113.319,91.18 113.594,91.455 119.824,91.455 121.024,90.255 123.624,90.255 124.624,89.255 130.424,89.255 130.824,89.655 130.824,91.072 ; 113.319,143.669 113.319,139.325 113.594,139.6 119.824,139.6 121.024,138.4 123.624,138.4 124.624,137.4 130.424,137.4 130.824,137.8 130.824,139.217 ; 113.319,191.814 113.319,187.47 113.594,187.745 119.824,187.745 121.024,186.545 123.624,186.545 124.624,185.545 130.424,185.545 130.824,185.945 130.824,187.362 ; 113.424,8.61 114.324,8.61 114.874,9.16 114.874,12.617 115.167,12.91 116.279,12.91 ; 113.424,56.755 114.324,56.755 114.874,57.305 114.874,60.762 115.167,61.055 116.279,61.055 ; 113.424,104.9 114.324,104.9 114.874,105.45 114.874,108.907 115.167,109.2 116.279,109.2 ; 113.424,153.045 114.324,153.045 114.874,153.595 114.874,157.052 115.167,157.345 116.279,157.345 ; 116.554,13.185 116.554,13.435 ; 116.554,61.33 116.554,61.58 ; 116.554,109.475 116.554,109.725 ; 116.554,157.62 116.554,157.87 ; 116.624,13.435 116.624,14.817 116.917,15.11 120.824,15.11 122.024,13.91 130.024,13.91 131.668,12.265 132.374,12.265 132.724,11.915 132.724,11.003 133.017,10.71 135.232,10.71 135.525,10.417 135.525,9.208 136.024,8.71 ; 116.624,61.58 116.624,62.962 116.917,63.255 120.824,63.255 122.024,62.055 130.024,62.055 131.668,60.41 132.374,60.41 132.724,60.06 132.724,59.148 133.017,58.855 135.232,58.855 135.525,58.562 135.525,57.353 136.024,56.855 ; 116.624,109.725 116.624,111.107 116.917,111.4 120.824,111.4 122.024,110.2 130.024,110.2 131.668,108.555 132.374,108.555 132.724,108.205 132.724,107.293 133.017,107 135.232,107 135.525,106.707 135.525,105.499 136.024,105 ; 116.624,157.87 116.624,159.252 116.917,159.545 120.824,159.545 122.024,158.345 130.024,158.345 131.668,156.7 132.374,156.7 132.724,156.35 132.724,155.438 133.017,155.145 135.232,155.145 135.525,154.852 135.525,153.644 136.024,153.145 ; 116.829,12.71 116.829,12.51 117.029,12.51 118.629,10.91 118.819,10.91 119.094,10.635 119.094,10.31 ; 116.829,60.855 116.829,60.655 117.029,60.655 118.629,59.055 118.819,59.055 119.094,58.78 119.094,58.455 ; 116.829,109 116.829,108.8 117.029,108.8 118.629,107.2 118.819,107.2 119.094,106.925 119.094,106.6 ; 116.829,157.145 116.829,156.945 117.029,156.945 118.629,155.345 118.819,155.345 119.094,155.07 119.094,154.745 ; 119.261,10.31 119.261,7.11 124.236,7.11 124.84,7.714 124.84,9.2 ; 119.261,58.455 119.261,55.255 124.236,55.255 124.84,55.859 124.84,57.345 ; 119.261,106.6 119.261,103.4 124.236,103.4 124.84,104.004 124.84,105.49 ; 119.261,154.745 119.261,151.545 124.236,151.545 124.84,152.149 124.84,153.635 ; 119.424,13.31 121.024,11.71 121.024,8.71 121.624,8.11 123.277,8.11 123.57,8.403 123.57,10.552 ; 119.424,61.455 121.024,59.855 121.024,56.855 121.624,56.255 123.277,56.255 123.57,56.548 123.57,58.697 ; 119.424,109.6 121.024,108 121.024,105 121.624,104.4 123.277,104.4 123.57,104.693 123.57,106.842 ; 119.424,157.745 121.024,156.145 121.024,153.145 121.624,152.545 123.277,152.545 123.57,152.838 123.57,154.987 ; 122.319,9.71 122.319,12.217 122.612,12.51 128.424,12.51 130.744,10.19 130.744,8.91 ; 122.319,57.855 122.319,60.362 122.612,60.655 128.424,60.655 130.744,58.335 130.744,57.055 ; 122.319,106 122.319,108.507 122.612,108.8 128.424,108.8 130.744,106.48 130.744,105.2 ; 122.319,154.145 122.319,156.652 122.612,156.945 128.424,156.945 130.744,154.625 130.744,153.345 ; 122.424,48.51 122.481,48.453 124.081,48.453 v1(124.624,47.91) ; 122.424,96.655 122.481,96.598 124.081,96.598 v1(124.624,96.055) ; 122.424,144.8 122.481,144.743 124.081,144.743 v1(124.624,144.2) ; 122.424,192.945 122.481,192.888 124.081,192.888 v1(124.624,192.345) ; 122.853,44.11 122.903,44.16 123.913,44.16 125.492,45.738 126.199,45.738 126.806,46.346 126.806,48.728 125.998,49.535 125.998,50.235 125.723,50.51 ; 122.853,92.255 122.903,92.305 123.913,92.305 125.492,93.883 126.199,93.883 126.806,94.491 126.806,96.873 125.998,97.68 125.998,98.38 125.723,98.655 ; 122.853,140.4 122.903,140.45 123.913,140.45 125.492,142.029 126.199,142.029 126.806,142.636 126.806,145.018 125.998,145.826 125.998,146.525 125.723,146.8 ; 122.853,188.545 122.903,188.595 123.913,188.595 125.492,190.174 126.199,190.174 126.806,190.781 126.806,193.163 125.998,193.971 125.998,194.67 125.723,194.945 ; 124.859,16.545 124.878,16.564 124.878,18.164 125.624,18.91 131.824,18.91 132.624,19.71 132.624,31.998 130.424,34.198 130.424,38.035 v1(133.024,40.635) ; 124.859,64.69 124.878,64.709 124.878,66.309 125.624,67.055 131.824,67.055 132.624,67.855 132.624,80.143 130.424,82.343 130.424,86.18 v1(133.024,88.78) ; 124.859,112.835 124.878,112.854 124.878,114.454 125.624,115.2 131.824,115.2 132.624,116 132.624,128.288 130.424,130.488 130.424,134.325 v1(133.024,136.925) ; 124.859,160.98 124.878,160.999 124.878,162.599 125.624,163.345 131.824,163.345 132.624,164.145 132.624,176.433 130.424,178.633 130.424,182.47 v1(133.024,185.07) ; 126.024,42.71 126.024,43.335 126.198,43.51 126.449,43.51 128.449,45.51 128.699,45.76 ; 126.024,90.855 126.024,91.48 126.198,91.655 126.449,91.655 128.449,93.655 128.699,93.905 ; 126.024,139 126.024,139.626 126.198,139.8 126.449,139.8 128.449,141.8 128.699,142.05 ; 126.024,187.145 126.024,187.771 126.198,187.945 126.449,187.945 128.449,189.945 128.699,190.195 ; 126.129,16.51 128.653,16.51 128.928,16.235 128.928,16.11 ; 126.129,64.655 128.653,64.655 128.928,64.38 128.928,64.255 ; 126.129,112.8 128.653,112.8 128.928,112.525 128.928,112.4 ; 126.129,160.945 128.653,160.945 128.928,160.67 128.928,160.545 ; 128.519,50.71 130.622,50.71 130.869,50.66 130.885,50.51 130.923,50.472 130.923,50.71 ; 128.519,98.855 130.622,98.855 130.869,98.805 130.885,98.655 130.923,98.617 130.923,98.855 ; 128.519,147 130.622,147 130.869,146.95 130.885,146.8 130.923,146.762 130.923,147 ; 128.519,195.145 130.622,195.145 130.869,195.095 130.885,194.945 130.923,194.907 130.923,195.145 ; 128.624,43.339 128.794,43.51 130.744,45.46 131.599,45.46 131.867,45.728 131.867,48.553 133.244,49.93 133.244,50.435 133.519,50.71 ; 128.624,47.71 128.824,47.91 128.981,47.91 129.581,48.51 v1(129.624,48.51) ; 128.624,91.484 128.794,91.655 130.744,93.605 131.599,93.605 131.867,93.873 131.867,96.698 133.244,98.075 133.244,98.58 133.519,98.855 ; 128.624,95.855 128.824,96.055 128.981,96.055 129.581,96.655 v1(129.624,96.655) ; 128.624,139.63 128.794,139.8 130.744,141.75 131.599,141.75 131.867,142.018 131.867,144.843 133.244,146.22 133.244,146.725 133.519,147 ; 128.624,144 128.824,144.2 128.981,144.2 129.581,144.8 v1(129.624,144.8) ; 128.624,187.775 128.794,187.945 130.744,189.895 131.599,189.895 131.867,190.163 131.867,192.988 133.244,194.366 133.244,194.87 133.519,195.145 ; 128.624,192.145 128.824,192.345 128.981,192.345 129.581,192.945 v1(129.624,192.945) ; 130.798,51.31 131.024,51.31 132.024,52.31 152.272,52.31 152.674,51.908 152.674,17.36 v1(152.224,16.91) ; 130.798,99.455 131.024,99.455 132.024,100.455 152.272,100.455 152.674,100.053 152.674,65.505 v1(152.224,65.055) ; 130.798,147.6 131.024,147.6 132.024,148.6 152.272,148.6 152.674,148.199 152.674,113.65 v1(152.224,113.2) ; 130.798,195.745 131.024,195.745 132.024,196.745 152.272,196.745 152.674,196.344 152.674,161.795 v1(152.224,161.345) ; 131.524,16.51 131.624,16.41 131.624,14.985 132.549,14.06 ; 131.524,64.655 131.624,64.555 131.624,63.13 132.549,62.205 ; 131.524,112.8 131.624,112.701 131.624,111.275 132.549,110.35 ; 131.524,160.945 131.624,160.846 131.624,159.42 132.549,158.495 ; 133.354,36.11 133.354,35.58 134.624,34.31 142.444,34.31 143.444,33.31 ; 133.354,84.255 133.354,83.725 134.624,82.455 142.444,82.455 143.444,81.455 143.744,81.155 143.744,80.555 143.444,80.255 143.224,80.255 142.424,79.455 142.424,76.055 143.449,75.03 143.449,74.855 143.699,74.605 ; 133.354,132.4 133.354,131.87 134.624,130.6 142.444,130.6 143.444,129.6 143.744,129.3 143.744,128.7 143.444,128.4 143.224,128.4 142.424,127.6 142.424,124.2 143.449,123.175 143.449,123 143.699,122.75 ; 133.354,180.545 133.354,180.015 134.624,178.745 142.444,178.745 143.444,177.745 143.744,177.445 143.744,176.845 143.444,176.545 143.224,176.545 142.424,175.745 142.424,172.345 143.449,171.32 143.449,171.145 143.699,170.895 ; 133.624,42.465 133.624,45.285 133.699,45.36 133.699,45.76 ; 133.624,90.61 133.624,93.43 133.699,93.505 133.699,93.905 ; 133.624,138.755 133.624,141.575 133.699,141.65 133.699,142.05 ; 133.624,186.9 133.624,189.72 133.699,189.795 133.699,190.195 ; 133.699,47.66 133.867,47.828 133.867,48.553 135.213,49.899 135.213,50.499 v1(135.424,50.71) ; 133.699,95.805 133.867,95.973 133.867,96.698 135.213,98.044 135.213,98.644 v1(135.424,98.855) ; 133.699,143.95 133.867,144.118 133.867,144.843 135.213,146.19 135.213,146.789 v1(135.424,147) ; 133.699,192.095 133.867,192.263 133.867,192.988 135.213,194.335 135.213,194.935 v1(135.424,195.145) ; v1(134.024,15.51) 134.024,15.212 134.349,14.887 134.349,12.819 134.624,12.544 ; v1(134.024,63.655) 134.024,63.357 134.349,63.032 134.349,60.964 134.624,60.689 ; v1(134.024,111.8) 134.024,111.502 134.349,111.177 134.349,109.109 134.624,108.834 ; v1(134.024,159.945) 134.024,159.647 134.349,159.322 134.349,157.254 134.624,156.979 ; v1(135.424,24.11) 136.749,24.11 136.949,24.31 ; v1(135.424,27.11) 135.624,27.31 136.814,27.31 136.919,27.415 ; v1(135.424,45.51) 135.424,48.11 137.357,50.043 ; v1(135.424,72.255) 136.749,72.255 136.949,72.455 ; v1(135.424,75.255) 135.624,75.455 136.814,75.455 136.919,75.56 ; v1(135.424,93.655) 135.424,96.255 137.357,98.188 ; v1(135.424,120.4) 136.749,120.4 136.949,120.6 ; v1(135.424,123.4) 135.624,123.6 136.814,123.6 136.919,123.705 ; v1(135.424,141.8) 135.424,144.4 137.357,146.333 ; v1(135.424,168.545) 136.749,168.545 136.949,168.745 ; v1(135.424,171.545) 135.624,171.745 136.814,171.745 136.919,171.85 ; v1(135.424,189.945) 135.424,192.545 137.357,194.479 ; 136.082,8.768 136.314,8.535 136.314,7.203 136.607,6.91 141.224,6.91 141.624,7.31 141.624,8.56 142.074,9.01 143.331,9.01 143.624,9.303 143.624,13.417 143.331,13.71 141.974,13.71 ; 136.082,56.913 136.314,56.681 136.314,55.348 136.607,55.055 141.224,55.055 141.624,55.455 141.624,56.705 142.074,57.155 143.331,57.155 143.624,57.448 143.624,61.562 143.331,61.855 141.974,61.855 ; 136.082,105.058 136.314,104.826 136.314,103.493 136.607,103.2 141.224,103.2 141.624,103.6 141.624,104.85 142.074,105.3 143.331,105.3 143.624,105.593 143.624,109.707 143.331,110 141.974,110 ; 136.082,153.203 136.314,152.971 136.314,151.638 136.607,151.345 141.224,151.345 141.624,151.745 141.624,152.995 142.074,153.445 143.331,153.445 143.624,153.738 143.624,157.852 143.331,158.145 141.974,158.145 ; v1(136.224,38.71) 136.42,38.514 137.22,38.514 138.024,37.71 143.119,37.71 ; v1(136.224,86.855) 136.42,86.659 137.22,86.659 138.024,85.855 143.119,85.855 ; v1(136.224,135) 136.42,134.804 137.22,134.804 138.024,134 143.119,134 ; v1(136.224,183.145) 136.42,182.949 137.22,182.949 138.024,182.145 143.119,182.145 ; v1(136.772,19.232) 137,19.232 137.321,18.91 144.824,18.91 147.624,21.71 147.624,21.81 ; v1(136.772,67.377) 137,67.377 137.321,67.055 144.824,67.055 147.624,69.855 147.624,69.955 ; v1(136.772,115.522) 137,115.522 137.321,115.2 144.824,115.2 147.624,118 147.624,118.1 ; v1(136.772,163.667) 137,163.667 137.321,163.345 144.824,163.345 147.624,166.145 147.624,166.245 ; 137.024,31.71 136.692,32.042 134.492,32.042 131.624,34.91 131.624,36.96 137.023,42.36 139.574,42.36 140.774,41.16 141.374,41.16 141.424,41.11 142.624,41.11 ; 137.024,79.855 136.692,80.187 134.492,80.187 131.624,83.055 131.624,85.105 137.023,90.505 139.574,90.505 140.774,89.305 141.374,89.305 141.424,89.255 142.624,89.255 ; 137.024,128 136.692,128.332 134.492,128.332 131.624,131.2 131.624,133.25 137.023,138.65 139.574,138.65 140.774,137.45 141.374,137.45 141.424,137.4 142.624,137.4 ; 137.024,176.145 136.692,176.477 134.492,176.477 131.624,179.345 131.624,181.396 137.023,186.795 139.574,186.795 140.774,185.595 141.374,185.595 141.424,185.545 142.624,185.545 ; 137.328,43.91 137.594,44.175 137.594,45.08 138.324,45.81 142.324,45.81 142.824,45.31 142.824,43.51 144.624,41.71 144.624,40.11 147.31,37.424 147.89,37.424 148.484,36.83 ; 137.328,92.055 137.594,92.32 137.594,93.225 138.324,93.955 142.324,93.955 142.824,93.455 142.824,91.655 144.624,89.855 144.624,88.255 147.31,85.569 147.89,85.569 148.484,84.975 ; 137.328,140.2 137.594,140.466 137.594,141.37 138.324,142.1 142.324,142.1 142.824,141.6 142.824,139.8 144.624,138 144.624,136.4 147.31,133.714 147.89,133.714 148.484,133.12 ; 137.328,188.345 137.594,188.611 137.594,189.515 138.324,190.245 142.324,190.245 142.824,189.745 142.824,187.945 144.624,186.145 144.624,184.545 147.31,181.859 147.89,181.859 148.484,181.265 ; 137.424,47.381 137.424,47.93 137.603,48.11 137.624,48.11 138.624,49.11 142.624,49.11 143.824,47.91 143.824,44.03 146.224,41.63 146.224,40.71 147.14,39.794 148.06,39.794 148.484,39.37 ; 137.424,95.526 137.424,96.075 137.603,96.255 137.624,96.255 138.624,97.255 142.624,97.255 143.824,96.055 143.824,92.175 146.224,89.775 146.224,88.855 147.14,87.939 148.06,87.939 148.484,87.515 ; 137.424,143.671 137.424,144.22 137.603,144.4 137.624,144.4 138.624,145.4 142.624,145.4 143.824,144.2 143.824,140.32 146.224,137.92 146.224,137 147.14,136.084 148.06,136.084 148.484,135.66 ; 137.424,191.816 137.424,192.366 137.603,192.545 137.624,192.545 138.624,193.545 142.624,193.545 143.824,192.345 143.824,188.465 146.224,186.065 146.224,185.145 147.14,184.229 148.06,184.229 148.484,183.805 ; 138.074,11.71 137.974,11.81 137.574,11.81 136.624,12.76 136.624,15.11 133.624,18.11 133.624,29.417 133.917,29.71 139.024,29.71 ; 138.074,59.855 137.974,59.955 137.574,59.955 136.624,60.905 136.624,63.255 133.624,66.255 133.624,77.562 133.917,77.855 139.024,77.855 ; 138.074,108 137.974,108.1 137.574,108.1 136.624,109.05 136.624,111.4 133.624,114.4 133.624,125.707 133.917,126 139.024,126 ; 138.074,156.145 137.974,156.245 137.574,156.245 136.624,157.195 136.624,159.545 133.624,162.545 133.624,173.852 133.917,174.145 139.024,174.145 ; v1(138.224,40.91) 138.224,40.71 139.424,39.51 141.224,39.51 141.324,39.41 141.424,39.41 ; v1(138.224,89.055) 138.224,88.855 139.424,87.655 141.224,87.655 141.324,87.555 141.424,87.555 ; v1(138.224,137.2) 138.224,137 139.424,135.8 141.224,135.8 141.324,135.7 141.424,135.7 ; v1(138.224,185.345) 138.224,185.145 139.424,183.945 141.224,183.945 141.324,183.845 141.424,183.845 ; 138.279,13.965 138.924,14.61 139.124,14.61 140.924,16.41 141.474,16.41 141.574,16.51 141.574,16.91 ; 138.279,62.11 138.924,62.755 139.124,62.755 140.924,64.555 141.474,64.555 141.574,64.655 141.574,65.055 ; 138.279,110.255 138.924,110.9 139.124,110.9 140.924,112.7 141.474,112.7 141.574,112.8 141.574,113.2 ; 138.279,158.4 138.924,159.045 139.124,159.045 140.924,160.845 141.474,160.845 141.574,160.945 141.574,161.345 ; 138.388,16.91 136.424,16.91 135.024,18.31 135.024,20.699 135.445,21.12 v1(135.445,21.31) 138.853,21.31 139.128,21.035 139.128,20.91 ; 138.388,65.055 136.424,65.055 135.024,66.455 135.024,68.844 135.445,69.265 v1(135.445,69.455) 138.853,69.455 139.128,69.18 139.128,69.055 ; 138.388,113.2 136.424,113.2 135.024,114.6 135.024,116.989 135.445,117.411 v1(135.445,117.6) 138.853,117.6 139.128,117.325 139.128,117.2 ; 138.388,161.345 136.424,161.345 135.024,162.745 135.024,165.134 135.445,165.556 v1(135.445,165.745) 138.853,165.745 139.128,165.47 139.128,165.345 ; 138.474,8.51 138.974,9.01 139.074,9.01 140.893,10.829 141.474,10.829 141.574,10.929 141.574,11.51 ; 138.474,56.655 138.974,57.155 139.074,57.155 140.893,58.975 141.474,58.975 141.574,59.075 141.574,59.655 ; 138.474,104.8 138.974,105.3 139.074,105.3 140.893,107.12 141.474,107.12 141.574,107.22 141.574,107.8 ; 138.474,152.945 138.974,153.445 139.074,153.445 140.893,155.265 141.474,155.265 141.574,155.365 141.574,155.945 ; 138.911,32.71 141.123,32.71 ; 138.911,80.855 141.123,80.855 ; 138.911,129 141.123,129 ; 138.911,177.145 141.123,177.145 ; 139.024,20.971 139.024,23.492 ; 139.024,69.116 139.024,71.637 ; 139.024,117.261 139.024,119.782 ; 139.024,165.406 139.024,167.928 ; 139.099,30.96 139.024,30.885 139.024,29.71 ; 139.099,79.105 139.024,79.03 139.024,77.855 ; 139.099,127.25 139.024,127.175 139.024,126 ; 139.099,175.395 139.024,175.32 139.024,174.145 ; 139.224,25.51 139.224,28.248 ; 139.224,73.655 139.224,76.393 ; 139.224,121.8 139.224,124.539 ; 139.224,169.945 139.224,172.684 ; 139.919,50.71 140.119,50.51 143.224,50.51 144.824,48.91 144.824,44.51 147.07,42.264 148.13,42.264 148.484,41.91 ; 139.919,98.855 140.119,98.655 143.224,98.655 144.824,97.055 144.824,92.655 147.07,90.409 148.13,90.409 148.484,90.055 ; 139.919,147 140.119,146.8 143.224,146.8 144.824,145.2 144.824,140.8 147.07,138.554 148.13,138.554 148.484,138.2 ; 139.919,195.145 140.119,194.945 143.224,194.945 144.824,193.345 144.824,188.945 147.07,186.699 148.13,186.699 148.484,186.345 ; 139.924,44.31 v1(141.224,44.31) ; 139.924,92.455 v1(141.224,92.455) ; 139.924,140.6 v1(141.224,140.6) ; 139.924,188.745 v1(141.224,188.745) ; 140.058,47.244 140.124,47.31 v1(141.224,47.31) ; 140.058,95.389 140.124,95.455 v1(141.224,95.455) ; 140.058,143.534 140.124,143.6 v1(141.224,143.6) ; 140.058,191.679 140.124,191.745 v1(141.224,191.745) ; 140.824,29.71 139.024,29.71 ; 140.824,77.855 139.024,77.855 ; 140.824,126 139.024,126 ; 140.824,174.145 139.024,174.145 ; 141.128,29.71 141.128,26.653 141.199,26.582 141.199,24.885 141.224,24.86 ; 141.128,77.855 141.128,74.798 141.199,74.727 141.199,73.03 141.224,73.005 ; 141.128,126 141.128,122.943 141.199,122.872 141.199,121.175 141.224,121.15 ; 141.128,174.145 141.128,171.088 141.199,171.018 141.199,169.32 141.224,169.295 ; 141.424,20.31 141.424,21.11 143.517,23.203 143.517,24.403 143.624,24.51 ; 141.424,68.455 141.424,69.255 143.517,71.348 143.517,72.548 143.624,72.655 ; 141.424,116.6 141.424,117.4 143.517,119.493 143.517,120.693 143.624,120.8 ; 141.424,164.745 141.424,165.545 143.517,167.638 143.517,168.838 143.624,168.945